# Altium PCB BMS REVAA.PcbDoc (part 1 of 2)
Units mil, origin at the board's own origin, x right, y up, seen from the top; angles counter-clockwise.
Board outline 4429.13 x 2460.63 mil, 4 copper layers (Top Layer 1, Middle Layer 1, Middle Layer 2, Bottom Layer 1), stack 23.756 mil thick; 116 components, 96 nets, 456 pads, 140 vias.
Unrouted connection lines stored in the file: 64.
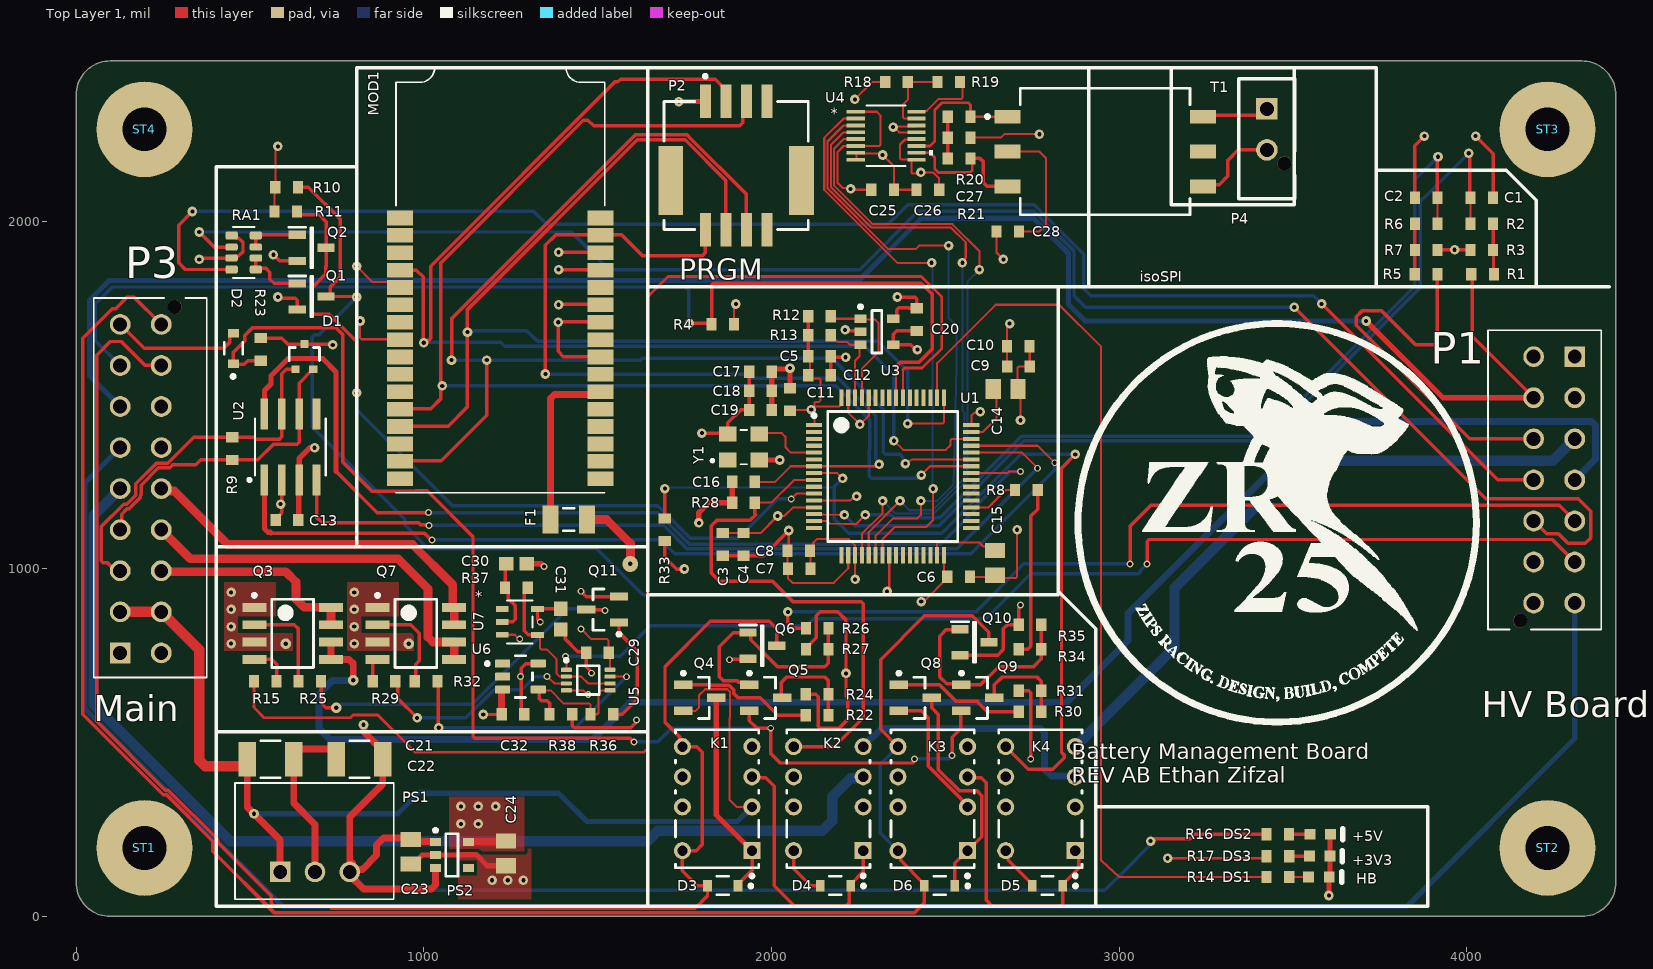
[diagram p0: Top Layer 1 view]
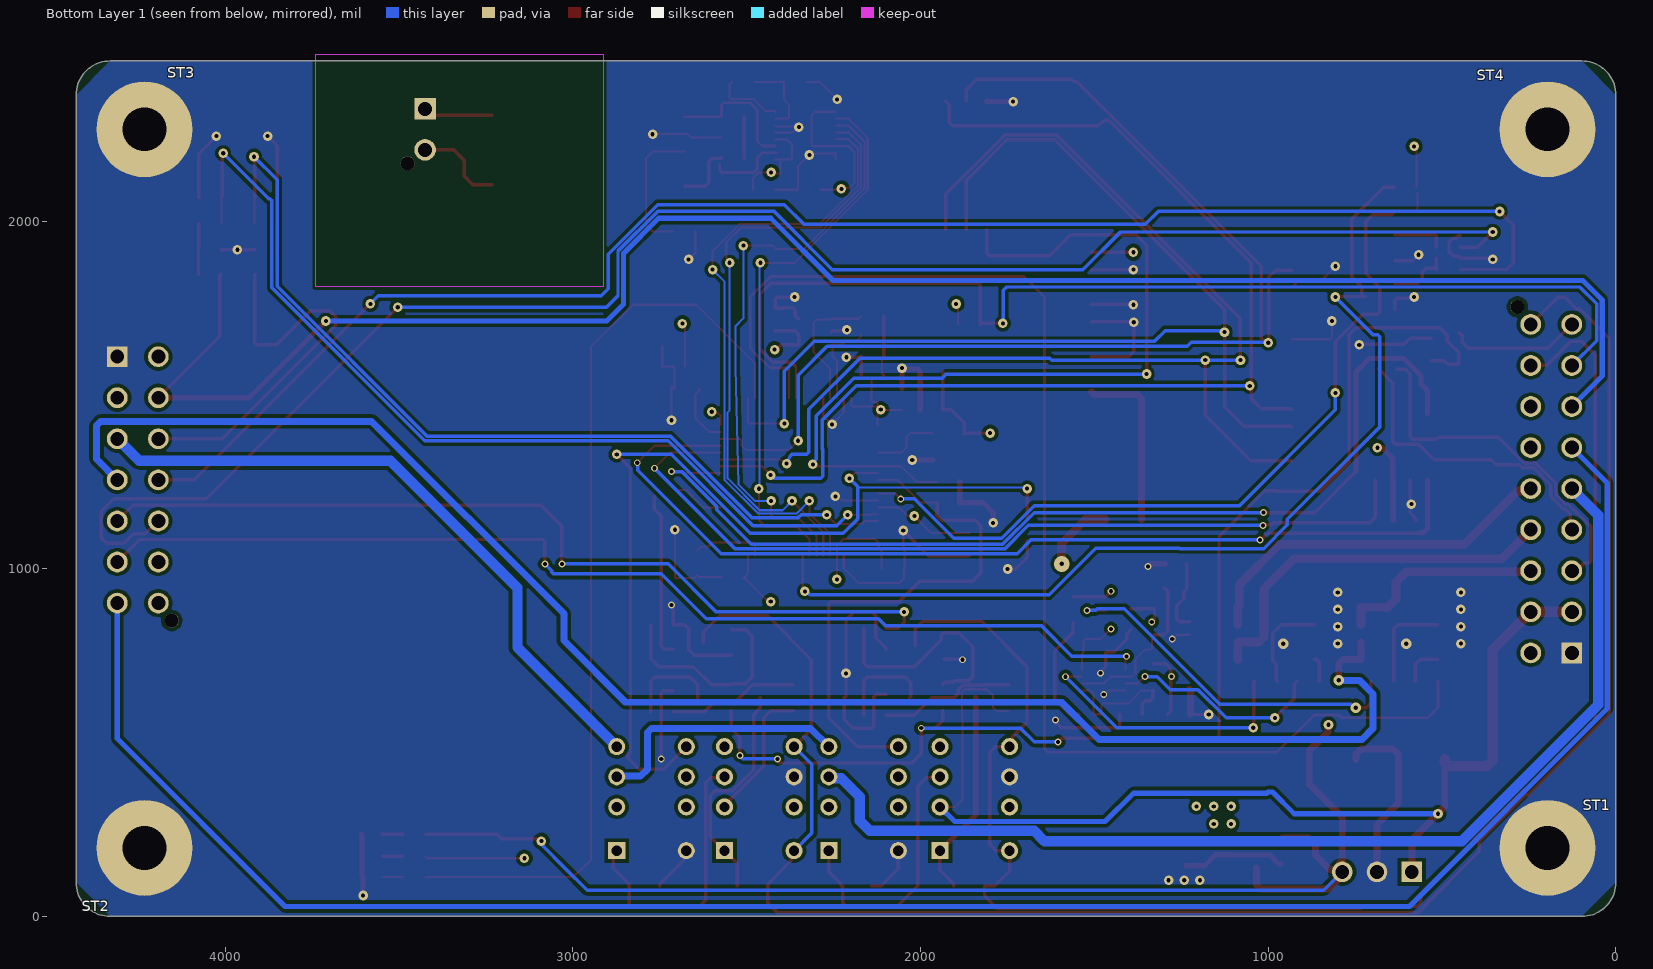
[diagram p1: Bottom Layer 1 view, seen from below]
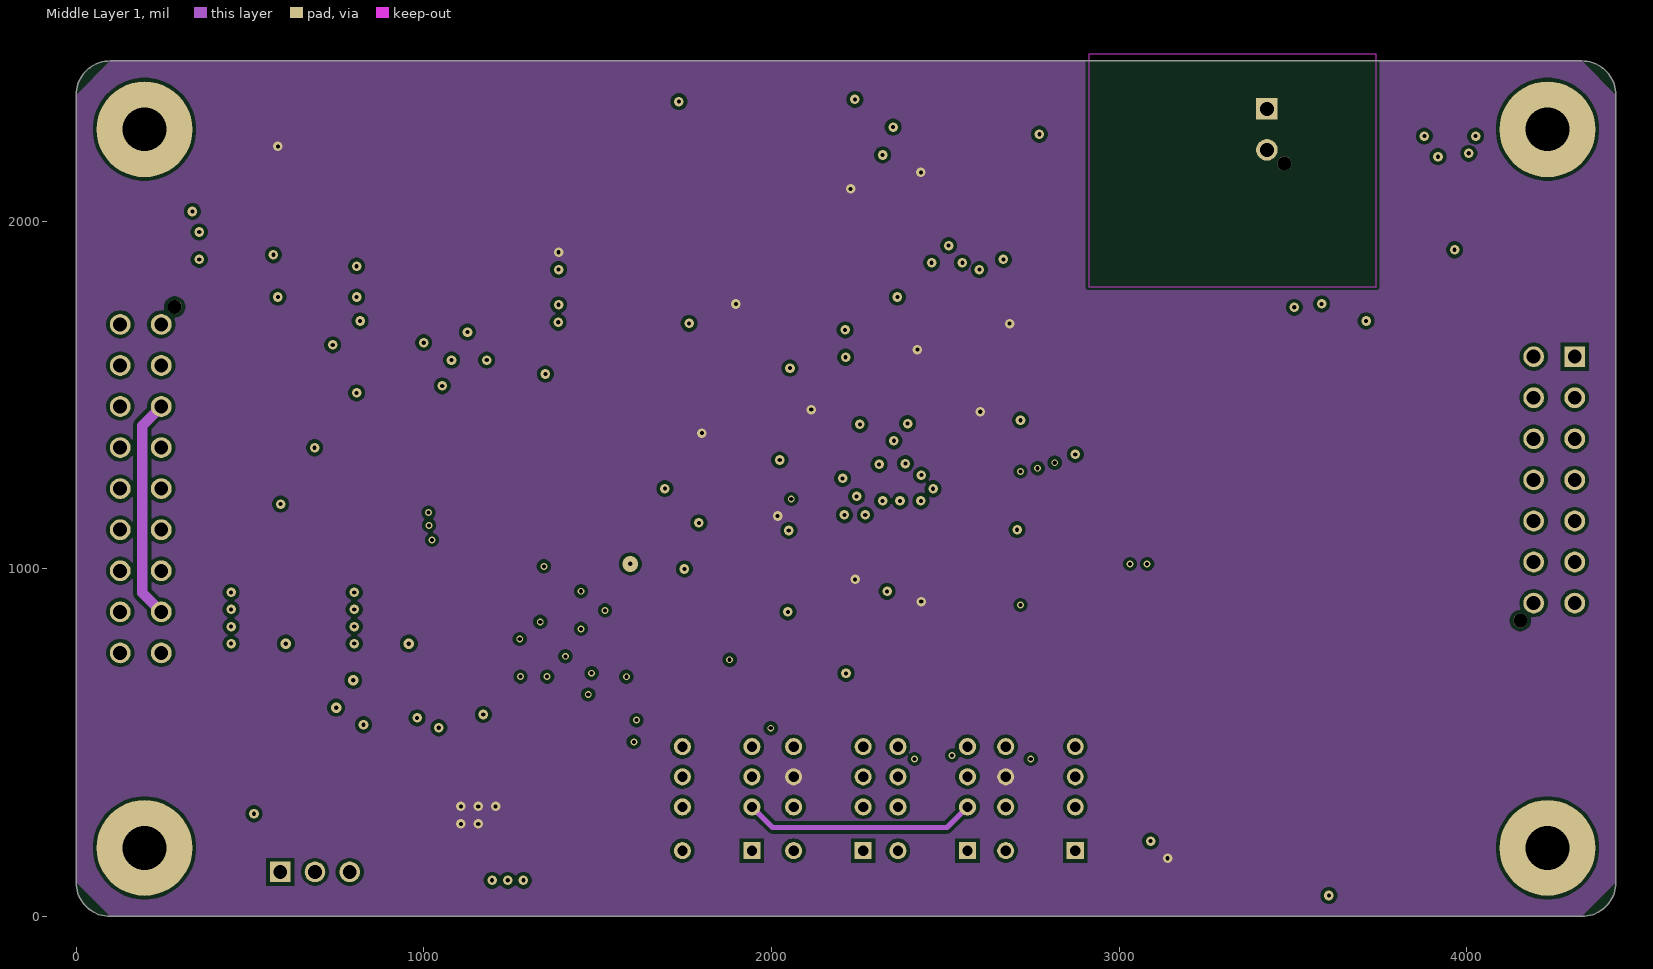
[diagram p2: Middle Layer 1]
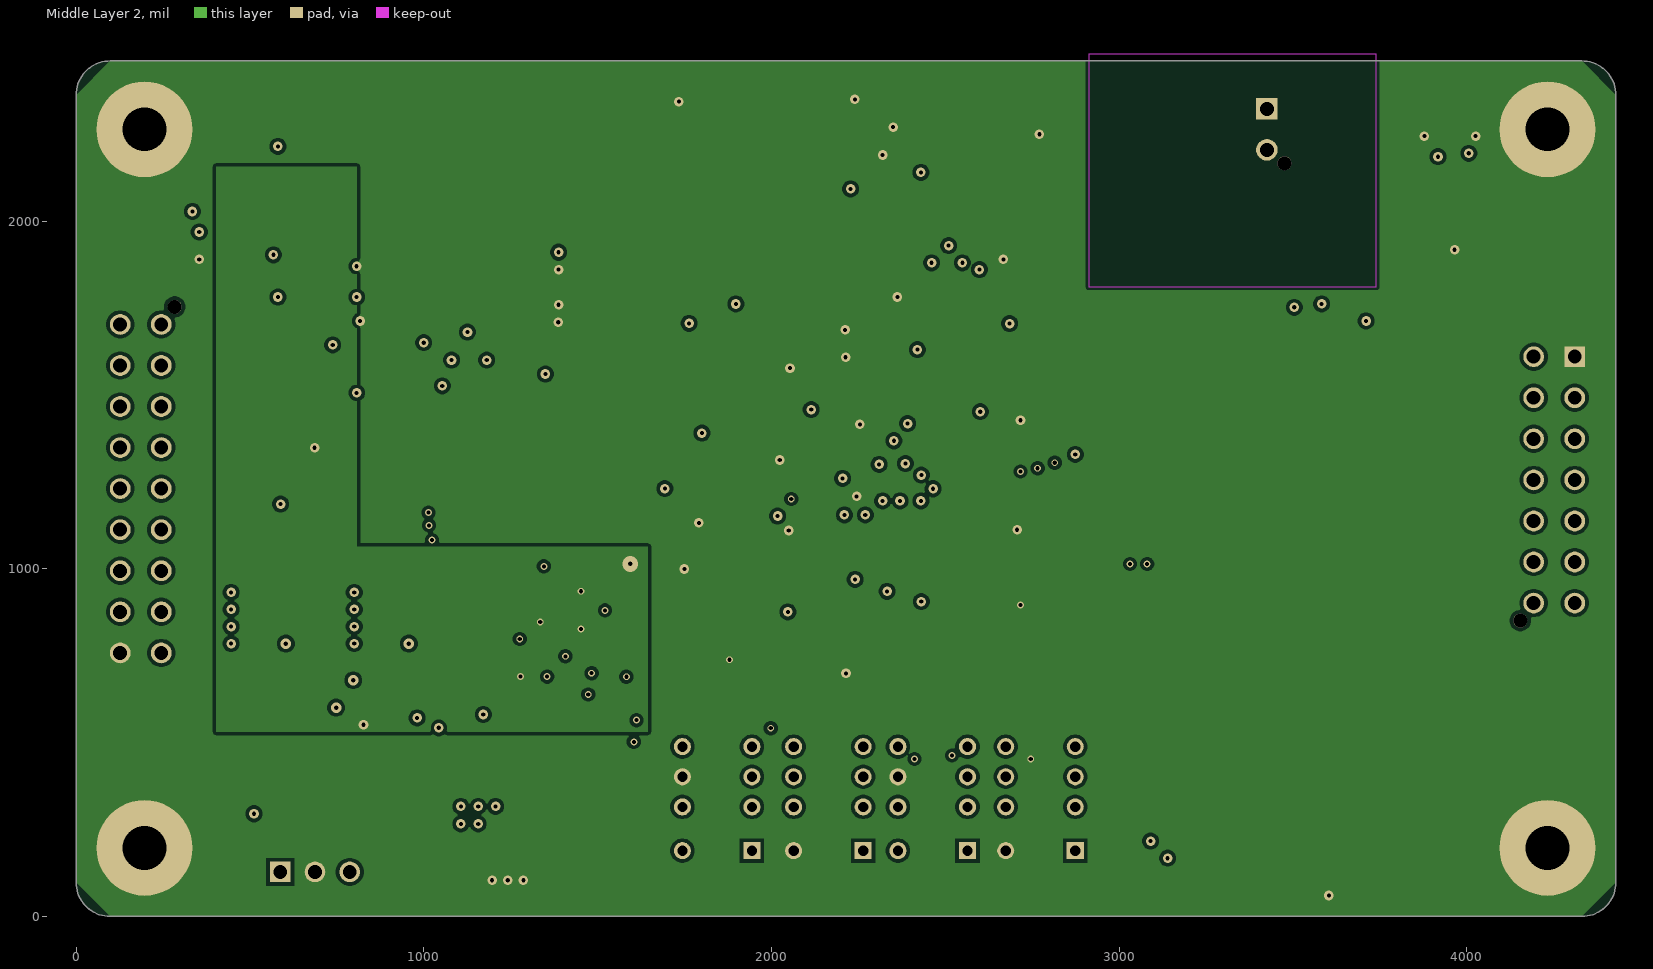
[diagram p3: Middle Layer 2]
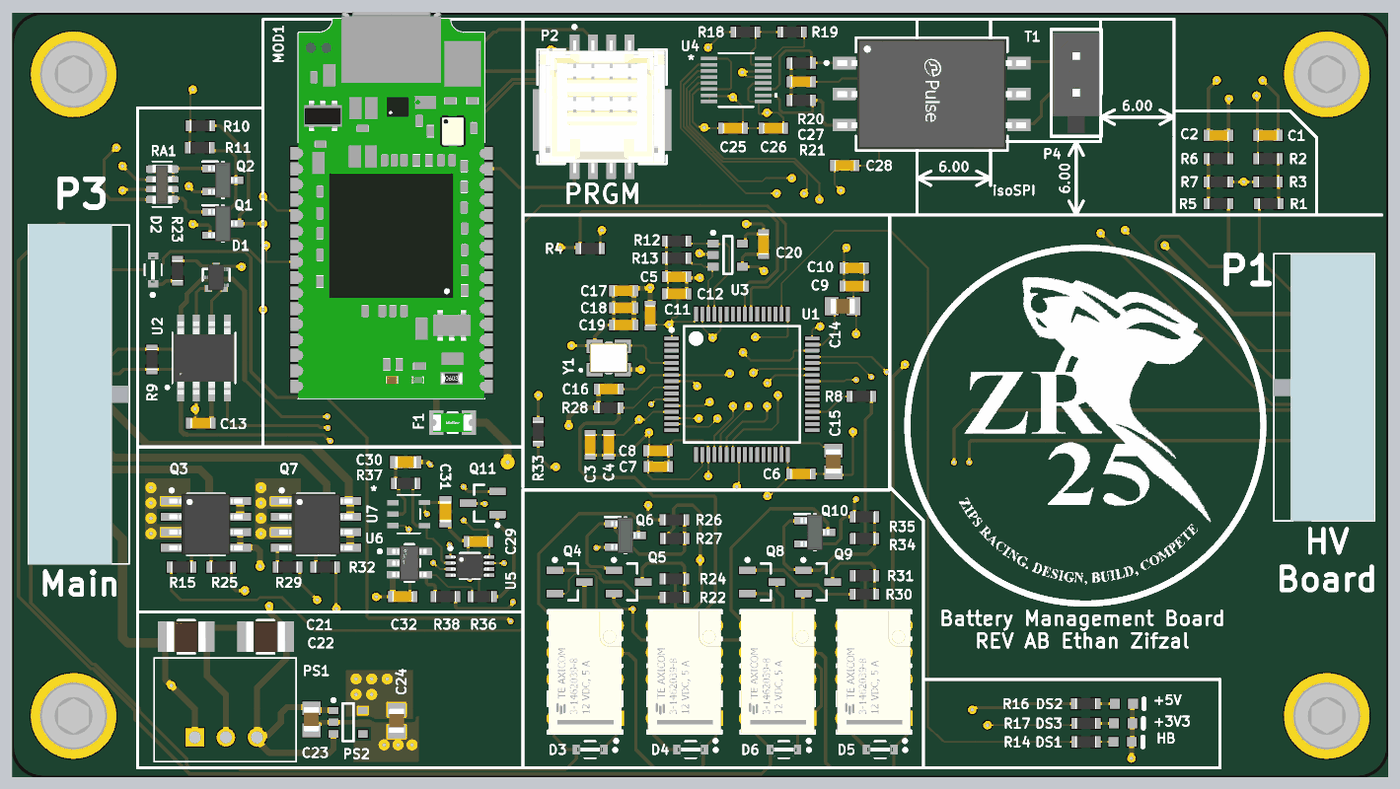
[diagram p5: 3D render of the assembled board from above, using the file's embedded part models]

## Layer stack, top to bottom
Top Solder: solder mask 0.4, Solder Resist, Dk 3.5
Top Layer 1: signal copper 1.378
Dielectric 2: prepreg 2.8, PP-006, Dk 4.1
Middle Layer 1: signal copper 1.4
Dielectric 1: dielectric 12.6, FR-4, Dk 4.8
Middle Layer 2: signal copper 1.4
Dielectric 3: prepreg 2.8, PP-006, Dk 4.1
Bottom Layer 1: signal copper 1.378
Bottom Solder: solder mask 0.4, Solder Resist, Dk 3.5

## Board outline
98.43,0 cw(c98.43,98.43) 0,98.43 0,2362.2 cw(c98.43,2362.2) 98.43,2460.63 4330.71,2460.63 cw(c4330.71,2362.2) 4429.13,2362.2 4429.13,98.43 cw(c4330.71,98.43) 4330.71,0

## Design rules (kind name [scope] priority, off if disabled: settings)
Clearance [All] p1: gap=10 ignorepadtopadclearanceinfootprint=FALSE except(3.5: Arc-Arc Arc-Track Track-Track; 5: SMDPad-SMDPad THPad-THPad)
HoleSize [All] p1: absolutevalues=TRUE maxlimit=1000 minlimit=1 maxpercent=80.000 minpercent=20.000
MinimumSolderMaskSliver [All] p1: minsoldermaskwidth=3.94
PlaneConnect PlaneConnect_1 [All] p1: planeconnectstyle=Direct reliefexpansion=20 reliefentries=4 reliefconductorwidth=10 reliefairgap=10
PolygonConnect PolyDir [(IsNamedPolygon('PolyDir'))] p1: connectstyle=Direct reliefconductorwidth=10 reliefentries=4 polygonreliefangle="90 Angle" airgapwidth=10
PolygonConnect [All] p2: connectstyle=Direct reliefconductorwidth=10 reliefentries=4 polygonreliefangle="90 Angle" airgapwidth=10
RoutingVias [All] p1: holewidth=28 width=50 viastyle="Through Hole" minholewidth=5.91 minwidth=9.84 maxholewidth=5.91 maxwidth=9.84
SilkToSolderMaskClearance [IsPad] p1: minsilkscreentomaskgap=5.91 clearancetoexposedcopper=TRUE
SolderMaskExpansion [All] p1: expansion=4 istentingtop=FALSE
Width [All] p1: maxlimit=200 minlimit=5 preferedwidth=6
26 further rules are at their usual default settings.

## Classes and differential pairs
component class Shutdown: C30 C32 D2 D3 D4 D5 D6 K1 K2 K3 K4 Q3 Q4 Q5 Q6 Q7 Q9 Q11 R4 R11 R22 R24 R30 R35 R37 U6 U7
component class STM32: C1 C2 C4 C6 C8 C10 C12 C13 C15 C17 C19 C30 D1 DS1 F1 MOD1 P1 P3 Q1 Q3 R1 R2 R3 R5 R7 R9 R15 R16 R18 R22 RA1 ST1 ST2 ST3 ST4 U1 U2 U3 Y1
component class "Power Management": C21 C22 C23 C25 C27 C28 DS2 DS3 P4 PS1 PS2 R15 R16 R18 R19 R21 R24 T1 U6

## Components (designator, comment, footprint, x,y, rotation, side; value= is the part's Value field where it differs from the comment)
C1 "Capacitor 1uF 0603 5%" CAP-0603-Generic 4043.31,2066.93 r180 top locked value=1µF
C2 "Capacitor 1uF 0603 5%" CAP-0603-Generic 3883.31,2066.93 r0 top locked value=1µF
C3 "Capacitor 1uF 0603 5%" CAP-0603-Generic 1860,1070 r90 top locked value=1µF
C4 "Capacitor 100nF 0603 5%" CAP-0603-Generic 1920,1070 r90 top locked value=100nF
C5 "Capacitor 100nF 0603 5%" CAP-0603-Generic 2138.45,1611.55 r180 top locked value=100nF
C6 "Capacitor 1uF 0603 5%" CAP-0603-Generic 2538.45,976.55 r180 top locked value=1µF
C7 "Capacitor 1uF 0603 5%" CAP-0603-Generic 2080,1000 r0 top locked value=1µF
C8 "Capacitor 100nF 0603 5%" CAP-0603-Generic 2078.72,1051.28 r0 top locked value=100nF
C9 "Capacitor 100nF 0603 5%" CAP-0603-Generic 2710.47,1581.55 r180 top locked value=100nF
C10 "Capacitor 1uF 0603 5%" CAP-0603-Generic 2710,1640 r180 top locked value=1µF
C11 "Capacitor 1uF 0603 5%" CAP-0603-Generic 2053.45,1486.55 r270 top locked value=1µF
C12 "Capacitor 100nF 0603 5%" CAP-0603-Generic 2138.45,1556.55 r180 top locked value=100nF
C13 "Capacitor 100nF 0603 5%" CAP-0603-Generic 606.71,1139.89 r0 top locked value=100nF
C14 "Capacitor 2.2F 0805 5%" CAP-0805 2673.45,1516.55 r180 top locked value=2.2µF
C15 "Capacitor 2.2F 0805 5%" CAP-0805 2643.45,1016.55 r90 top locked value=2.2µF
C16 "Capacitor 100nF 0603 5%" CAP-0603-Generic 1920,1250 r0 top locked value=100nF
C17 "Capacitor 1uF 0603 5%" CAP-0603-Generic 1968.45,1566.55 r180 top locked value=1µF
C18 "Capacitor 100nF 0603 5%" CAP-0603-Generic 1968.45,1511.55 r180 top locked value=100nF
C19 "Capacitor 10nF 0603 5%" CAP-0603-Generic 1968.45,1456.55 r180 top locked value=10nF
C20 "Capacitor 100nF 0603 5%" CAP-0603-Generic 2418.45,1716.55 r270 top locked value=100nF
C21 "Capacitor 10uF 1210 50V" FP-1210-L_3_2_0_3-W_2_5_0-MFG 559.29,451.77 r180 top locked value=10µF
C22 "Capacitor 10uF 1210 50V" FP-1210-L_3_2_0_3-W_2_5_0-MFG 815.2,451.77 r0 top locked value=10µF
C23 "Capacitor 1uF 0805 25V" CAP-0805 962.83,186.02 r90 top locked value=1µF
C24 "Capacitor 1uF 0805 25V" CAP-0805 1236.69,181.26 r90 top locked value=1µF
C25 "Capacitor 100nF 0603 5%" CAP-0603-Generic 2320,2090 r180 top locked value=100nF
C26 "Capacitor 100nF 0603 5%" CAP-0603-Generic 2450,2090 r0 top locked value=100nF
C27 "Capacitor 10nF 0603 5%" CAP-0603-Generic 2540,2240 r180 top locked value=10nF
C28 "Capacitor 10nF 0603 5%" CAP-0603-Generic 2680,1970 r0 top locked value=10nF
C29 "Capacitor 100nF 0603 5%" CAP-0603-Generic 1499.66,758.58 r0 top locked value=100nF
C30 "Capacitor 1 uF +/- 10% 16 V 0603" CAPC1608X94X35NL15T15 1266.39,1014.49 r180 top locked value=1µF
C31 "Capacitor 1 uF +/- 10% 16 V 0603" CAPC1608X94X35NL15T15 1394.35,854.88 r90 top locked value=1µF
C32 "Capacitor 100nF 0603 5%" CAP-0603-Generic 1256.55,581.42 r0 top locked value=100nF
D1 "PESD1CAN-UX" FP-SOT323-MFG 656.71,1609.89 r90 top locked
D2 "RB751V40T1G" FP-477-02-MFG 452.76,1633.86 r90 top
D3 "RB751V40T1G" FP-477-02-MFG 1860.08,88.58 r180 top locked
D4 "RB751V40T1G" FP-477-02-MFG 2183.98,88.58 r180 top locked
D5 "RB751V40T1G" FP-477-02-MFG 2793.98,88.58 r180 top locked
D6 "RB751V40T1G" FP-477-02-MFG 2483.98,88.58 r180 top locked
DS1 "LTST-C190KFKT" LTST-C190KFKT_V 3574.96,113.23 r0 top locked
DS2 "LTST-C190KRKT" LTST-C191KRKT_V 3578.74,236.22 r0 top locked
DS3 "LTST-C190KRKT" LTST-C191KRKT_V 3576.77,173.23 r0 top locked
F1 "0466.200NRHF" FP-0466-MFG 1417.32,1141.73 r180 top locked
K1 "3-1462039-8" FP-3-1462039-8-MFG 1843.98,338.58 r90 top locked
K2 "3-1462039-8" FP-3-1462039-8-MFG 2163.98,338.58 r90 top locked
K3 "3-1462039-8" FP-3-1462039-8-MFG 2463.98,338.58 r90 top locked
K4 "3-1462039-8" FP-3-1462039-8-MFG 2773.98,338.58 r90 top locked
MOD1 "STLINK-V3MODS" STLINK-V3MODS-Footprint-1 1220.47,1633.86 r0 top
P1 "206832-1401" 206832-1001-Footprint-1 4232.28,1230.32 r90 top locked
P2 "503154-0890" FP-503154-0890-MFG 1898.43,2159.45 r180 top locked
P3 "206832-1801" MOLEX_2068321801 126.97,875.98 r270 top locked
P4 "206832-0201" FP-206832-0201-MFG 3425.06,2238.98 r180 top locked
PS1 "R-78E5.0-1.0" CONV_R-78E5.0-1.0 687.24,216.54 r0 top locked value=0
PS2 "AP7343DQ-33W5-7" SOT95P285X140-5N 1081.07,176.69 r0 top locked
Q1 "BSS123" SOT96P237X111-3N 677.65,1782.96 r0 top locked
Q2 "BSS123" SOT96P237X111-3N 677.65,1922.96 r0 top locked
Q3 "FDS8984" FAIR-SOIC-8_V 623.03,813.98 r0 top locked
Q4 "BSS308PE" INF-PG-SOT23_M 1793.98,628.58 r0 top locked
Q5 "BSS308PE" INF-PG-SOT23_M 1983.98,628.58 r0 top locked
Q6 "BSS123" SOT96P237X111-3N 1973.98,778.58 r0 top locked
Q7 "FDS8984" FAIR-SOIC-8_V 977.36,813.98 r0 top locked
Q8 "BSS308PE" INF-PG-SOT23_M 2413.98,628.58 r0 top locked
Q9 "BSS308PE" INF-PG-SOT23_M 2593.98,628.58 r0 top locked
Q10 "BSS123" SOT96P237X111-3N 2583.98,788.58 r0 top locked
Q11 "BSS308PE" INF-PG-SOT23_M 1514.42,882.44 r180 top locked
R1 "Resistor 4k7 0603 1%" RES-0603-Generic 4045.59,1846.93 r180 top locked value=4k7
R2 "Resistor 2k49 0603 1%" RES-0603-Generic 4043.31,1991.93 r180 top locked value=2k29
R3 "Resistor 10k 0603 1%" RES-0603-Generic 4043.31,1916.93 r0 top locked value=10k
R4 "Resistor 10k 0603 1%" RES-0603-Generic 1860.24,1702.76 r0 top value=10k
R5 "Resistor 4k7 0603 1%" RES-0603-Generic 3883.27,1846.93 r0 top locked value=4k7
R6 "Resistor 2k49 0603 1%" RES-0603-Generic 3883.31,1991.93 r0 top locked value=2k29
R7 "Resistor 10k 0603 1%" RES-0603-Generic 3883.31,1916.93 r180 top locked value=10k
R8 "Resistor 1k 0603 1%" RES-0603-Generic 2733.45,1226.55 r0 top locked value=1k
R9 "Resistor 120R 0603 1%" RES-0603-Generic 449.31,1345.48 r270 top locked value=120R
R10 "Resistor 10k 0603 1%" RES-0603-Generic 605.6,2097.61 r180 top locked value=10k
R11 "Resistor 10k 0603 1%" RES-0603-Generic 603.35,2027.56 r180 top locked value=10k
R12 "Resistor 2k49 0603 1%" RES-0603-Generic 2138.45,1726.55 r180 top locked value=2k29
R13 "Resistor 2k49 0603 1%" RES-0603-Generic 2138.45,1671.55 r180 top locked value=2k29
R14 "Resistor 4k7 0603 1%" RES-0603-Generic 3456.77,113.23 r0 top locked value=4k7
R15 "Resistor 1k 0603 1%" RES-0603-Generic 544.29,676.18 r0 top locked value=1k
R16 "Resistor 4k7 0603 1%" RES-0603-Generic 3456.24,236.22 r180 top value=4k7
R17 "Resistor 2k49 0603 1%" RES-0603-Generic 3456.77,173.23 r180 top locked value=2k29
R18 "XXX" RES-0603-Generic 2360,2400 r180 top locked value=xxxx
R19 "XXX" RES-0603-Generic 2510,2400 r180 top locked value=xxxx
R20 "49R9 0603 1%" RES-0603-Generic 2540,2300 r0 top locked value=49.9R
R21 "49R9 0603 1%" RES-0603-Generic 2540,2180 r0 top locked value=49.9R
R22 "Resistor 1k 0603 1%" RES-0603-Generic 2131.5,578.58 r180 top locked value=1k
R23 "Resistor 1M 0603 1%" RES-0603-Generic 531.5,1630.91 r270 top value=1M
R24 "Resistor 1M 0603 1%" RES-0603-Generic 2131.5,638.58 r0 top locked value=1M
R25 "Resistor 1k 0603 1%" RES-0603-Generic 672.24,676.18 r180 top locked value=1k
R26 "Resistor 1k 0603 1%" RES-0603-Generic 2131.69,828.58 r0 top locked value=1k
R27 "Resistor 1M 0603 1%" RES-0603-Generic 2131.97,768.58 r0 top locked value=1M
R28 "Resistor 1M 0603 1%" RES-0603-Generic 1920,1190 r0 top locked value=1M
R29 "Resistor 1k 0603 1%" RES-0603-Generic 885.83,676.18 r180 top locked value=1k
R30 "Resistor 1k 0603 1%" RES-0603-Generic 2743.98,588.58 r180 top locked value=1k